# KiCad board pandore.kicad_pcb (continued)
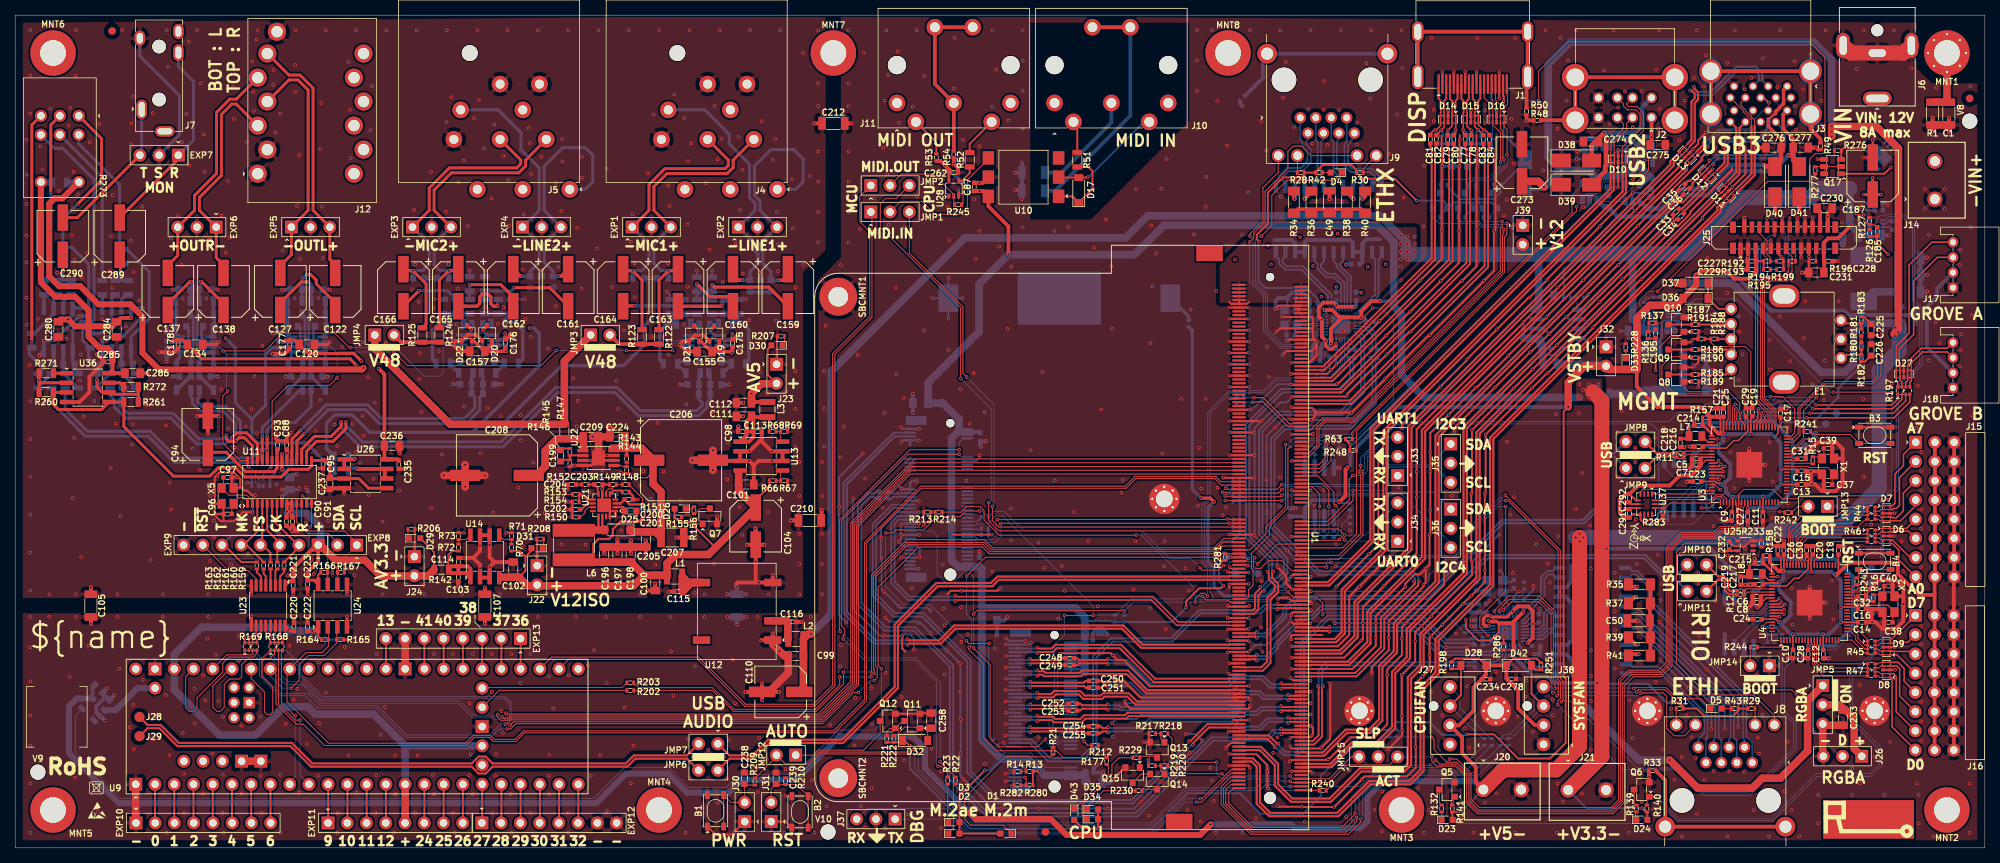
[diagram p0: board, top side]
## Routing (per net, layer and track width the routed paths; a pad name or vN(x,y) marks a point on that pad's centre or on a via; arc(x,y) is an arc through that point) (continued)
  Top w0.25: U1.87 171.06,29.12 171.09,29.1 173.4,29.1 v1(173.5,29.2)
  Bottom w0.25: U8.16 194.82,25.92 188.09,25.92 184.92,29.1 173.6,29.1 v1(173.5,29.2)
/Computer/ETHI.~{CLKREQ}: length 1.5
  Top w0.127: v1(197.22,26.11) 196.48,26.11 R286.1
  Bottom w0.127: U8.12 197.3,26.24 197.22,26.16 v1(197.22,26.11)
/Computer/ETHX.HSI0+: length 57.2
  Top w0.25: v1(166.05,36.5) 165.93,36.37 165.93,35.67 166.72,34.87 166.72,33.8 165.72,32.79 165.72,24.44 164.68,23.4 162.3,23.4 162.28,23.38 U1.64
  Bottom w0.25: C45.2 176.63,64.53 176.63,61.86 174.94,60.17 167.29,60.17 162.93,55.81 162.93,41.12 165.93,38.12 165.93,36.63 v1(166.05,36.5)
/Computer/ETHX.HSI0-: length 56.5
  Top w0.25: v1(165.35,36.5) 165.47,36.37 165.47,35.49 166.28,34.69 166.28,33.98 165.26,32.97 165.26,24.62 164.49,23.85 162.3,23.85 162.28,23.88 U1.66
  Bottom w0.25: v1(165.35,36.5) 165.47,36.63 165.47,37.94 162.47,40.94 162.47,55.99 167.11,60.62 174.76,60.62 176.18,62.05 176.18,64.53 C46.2
/Computer/ETHX.HSO0+: length 78.6
  Top w0.25: U1.61 171.06,22.62 171.09,22.65 177.07,22.65 180.72,26.31 180.72,30.21 185.22,34.7 185.22,35.11 v1(185.32,35.21)
  Bottom w0.25: C41.2 179.61,64.55 179.61,58.69 176.24,55.33 167.68,55.33 166.22,53.87 166.22,42.49 172.19,36.53 184.52,36.53 185.22,35.83 185.22,35.31 v1(185.32,35.21)
/Computer/ETHX.HSO0-: length 77.8
  Top w0.25: v1(184.66,35.21) 184.76,35.11 184.76,34.88 180.28,30.39 180.28,26.49 176.88,23.1 171.09,23.1 171.06,23.12 U1.63
  Bottom w0.25: v1(184.66,35.21) 184.76,35.31 184.76,35.65 184.34,36.08 172.01,36.08 165.78,42.31 165.78,54.05 167.5,55.78 176.06,55.78 179.16,58.87 179.16,64.55 C42.2
/Computer/ETHX.REFCLK+: length 54.3
  Top w0.25: U1.94 162.28,30.88 162.3,30.9 163.52,30.9 164.1,31.49 164.1,33.39 164.67,33.95 v1(164.85,33.95)
  Bottom w0.15: 177.76,67.84 177.42,68.18 U7.15
  Bottom w0.25: v1(164.85,33.95) 164.85,34.13 165.88,35.17 166.76,35.17 167.94,36.34 167.94,38.28 164.63,41.58 164.63,54.99 166.83,57.19 175.11,57.19 178.1,60.18 178.1,67.5 177.76,67.84
/Computer/ETHX.REFCLK-: length 52.9
  Top w0.25: U1.96 162.28,31.38 162.3,31.35 163.33,31.35 163.66,31.67 163.66,33.57 164.35,34.27 v1(164.35,34.45)
  Bottom w0.15: 177.45,67.52 177.18,67.78 U7.16
  Bottom w0.25: v1(164.35,34.45) 164.53,34.45 165.7,35.61 166.58,35.61 167.49,36.52 167.49,38.1 164.19,41.4 164.19,55.17 166.65,57.64 174.93,57.64 177.66,60.36 177.66,67.31 177.45,67.52
/Computer/ETHX.SUSCLK: length 98.6
  Top w0.127: v1(114.9,41.6) 115.88,41.6 116.28,42 119.91,42 121.65,43.74 124.74,43.74 125.5,44.5 v1(127.3,44.5) ; v1(125.56,27.34) 125.9,27 v1(128.6,27) ; U1.131 166.62,40.12 v1(164,37.5) ; v1(159.5,37.3) 158.88,36.68 156.69,36.68 v1(156.36,37.01)
  Bottom w0.127: v1(114.9,41.6) 114.9,34.5 117.3,32.1 120.8,32.1 v1(125.56,27.34) ; v1(128.6,27) 128.5,26.9 128.5,14.8 R279.1 ; v1(156.36,37.01) 155.13,38.24 152.36,38.24 148.7,41.9 133.1,41.9 130.55,44.45 129.2,44.45 R278.1 127.65,44.5 v1(127.3,44.5) ; v1(159.5,37.3) 159.91,37.3 160.41,37.8 163.7,37.8 v1(164,37.5)
/Computer/ETHX.~{CLKREQ}: length 57.3
  Top w0.127: v1(179.2,71.32) 178.21,70.33 178.21,69.89 177.7,69.38 v1(177.51,69.38) ; U1.102 162.55,32.88 162.8,33.12 162.8,34.1 163.4,34.7 163.4,36.6 163.2,36.8 163.2,38.9 165.56,41.26 165.56,42.46 168,44.9 168,52.69 v1(168.32,53.01)
  Bottom w0.127: v1(177.51,69.38) 177.51,69.38 U7.12 ; v1(179.2,71.32) 180.27,71.32 181.93,69.66 181.93,59.24 176.79,54.1 174.4,54.1 174.21,54.29 172.45,54.29 172.01,53.85 171.41,53.85 171.4,53.84 169.15,53.84 v1(168.32,53.01)
/Computer/ETHX.~{PERST}: length 181.8
  Top w0.127: v1(171.05,33.89) 170.78,33.62 U1.105 ; v1(138.5,30.7) v1(142.3,30.7) ; v1(194.42,28.02) 193.34,29.1 193.34,30.5 196.74,33.9 v1(196.74,45.08)
  Bottom w0.127: v1(194.42,28.02) 194.5,28.1 U8.19 ; v1(196.74,45.08) 195.73,45.08 191.36,40.71 191.36,39.27 190.15,38.06 188.69,38.06 186.53,35.9 186.53,34.45 185.97,33.89 v1(171.05,33.89) 170.24,34.7 168.3,34.7 167.6,34 166.7,34 165.48,32.78 156.56,32.78 156.44,32.9 147.35,32.9 R17.2 142.35,30.75 v1(142.3,30.7) 142.3,31.91 130.41,43.8 129.4,43.8 128.4,42.8 126.9,42.8 126.7,42.6 J19.52 ; 139.32,15.1 138.1,15.1 137.6,14.6 137.6,14.1 137.3,13.8 136.8,13.8 136.5,14.1 136.5,20.2 137.2,20.9 137.2,26.8 138.5,28.1 v1(138.5,30.7) ; 158.09,32.78 158.09,33.32 157.75,33.66 157.75,36.84 157,37.59 157,45.31 157.75,46.06 157.75,57.42 160.46,60.13 164.83,60.13 166.47,61.77 173.84,61.77 175.47,63.4 175.47,67.17 U7.19
/Computer/ETHX.~{WAKE}: length 174.5
  Top w0.127: v1(168,33.8) 168.68,33.12 U1.103 171.78,33.12 172.6,32.3 v1(172.6,30.8) ; v1(136,14.4) 134.96,13.36 129.84,13.36 128.7,14.5 128.7,24.19 126.5,26.39 v1(126.5,26.4) ; v1(126.5,30.89) 126.95,31.34 146.34,31.34 v1(146.4,31.28) ; v1(157.38,33.26) 157,33.64 156.53,33.64 155.79,32.9 v1(155.79,32.46)
  Bottom w0.127: J19.55 121.05,41.85 121.7,41.2 121.7,36.2 122.9,35 123.8,35 125.13,36.33 125.95,36.33 126.5,35.78 v1(126.5,30.89) v1(126.5,26.4) ; 157.43,33.31 v1(157.38,33.26) 157.38,36.81 156.64,37.55 156.64,45.33 157.43,46.12 157.43,57.52 160.3,60.39 164.71,60.39 166.37,62.05 171.46,62.05 171.99,62.58 173.93,62.58 174.91,63.56 174.91,66.9 174.78,67.03 U7.21 ; v1(172.6,30.8) 172.9,31.1 188.6,31.1 190.81,28.89 191.79,28.89 191.96,28.71 194.61,28.71 194.8,28.9 U8.21 ; v1(136,14.4) 136,14.1 136.7,13.4 137.4,13.4 138.1,14.1 139.32,14.1 ; v1(168,33.8) 167.9,33.7 166.8,33.7 165.63,32.53 156.45,32.53 156.45,32.53 155.86,32.53 v1(155.79,32.46) 147.58,32.46 v1(146.4,31.28) R18.2
/Computer/M2E.D+: length 84.6
  Top w0.28: U1.76 160.24,26.38 160.2,26.41 148.65,26.41 146.11,28.94 124.12,28.94 122.16,26.98 117.96,26.98 v1(117.8,26.82)
  Bottom w0.28: v1(117.8,26.82) 117.64,26.98 113.36,26.98 109.35,30.99 109.35,48.22 115.99,54.85 J19.3
/Computer/M2E.D-: length 83.2
  Top w0.28: v1(117.8,27.58) 117.96,27.42 121.98,27.42 123.94,29.38 146.29,29.38 148.82,26.84 160.2,26.84 160.24,26.88 U1.78
  Bottom w0.28: J19.5 116.09,54.35 109.78,48.04 109.78,31.17 113.54,27.42 117.64,27.42 v1(117.8,27.58)
/Computer/M2E.HSI0+: length 88
  Top w0.25: U1.34 160.24,15.88 160.21,15.9 157.57,15.9 155.45,13.78 v1(155.45,13.6)
  Bottom w0.25: v1(155.45,13.6) 155.27,13.6 147.54,5.88 129.76,5.88 125.68,9.96 125.68,24.61 119.73,30.56 115.96,30.56 113.21,33.31 113.21,42.79 115.74,45.33 118.11,45.33 J19.41
/Computer/M2E.HSI0-: length 86.5
  Top w0.25: v1(154.95,14.1) 155.13,14.1 157.38,16.35 160.21,16.35 160.24,16.38 U1.36
  Bottom w0.25: v1(154.95,14.1) 154.95,13.92 147.36,6.32 129.94,6.32 126.12,10.14 126.12,24.79 119.91,31 116.14,31 113.66,33.49 113.66,42.61 115.92,44.87 118.11,44.87 J19.43
/Computer/M2E.HSO0+: length 100.3
  Top w0.25: U1.31 169.03,15.12 169,15.15 167.26,15.15 v1(167.13,15.02)
  Bottom w0.25: C256.2 113.6,47.05 113.37,46.83 112.64,46.83 111.24,45.42 111.24,32.21 114.75,28.69 118.6,28.69 123.38,23.92 123.38,9 128.23,4.15 148.11,4.15 158.11,14.15 165.27,14.15 166.28,15.15 167,15.15 v1(167.13,15.02)
/Computer/M2E.HSO0-: length 98.8
  Top w0.25: v1(167.13,15.73) 167.26,15.6 169,15.6 169.03,15.62 U1.33
  Bottom w0.25: v1(167.13,15.73) 167,15.6 166.09,15.6 165.09,14.59 157.93,14.59 147.93,4.59 128.41,4.59 123.82,9.18 123.82,24.1 118.78,29.14 114.93,29.14 111.69,32.39 111.69,45.24 112.82,46.38 113.37,46.38 113.6,46.15 C257.2
/Computer/M2E.REFCLK+: length 59.2
  Top w0.2: U1.88 160.24,29.38 160.21,29.4 153.32,29.4 149.99,32.73 127.38,32.73 124.23,32.73 v1(124.1,32.61)
  Bottom w0.25: J19.47 117.51,43.85 117.49,43.83 116.44,43.83 115.65,43.03 115.65,34.96 117.87,32.73 123.97,32.73 v1(124.1,32.61)
/Computer/M2E.REFCLK-: length 57.7
  Top w0.2: U1.90 160.24,29.88 160.21,29.85 153.51,29.85 150.17,33.19 127.38,33.19 124.23,33.19 v1(124.1,33.31)
  Bottom w0.25: J19.49 117.51,43.35 117.49,43.38 116.62,43.38 116.09,42.85 116.09,35.14 118.05,33.19 123.97,33.19 v1(124.1,33.31)
/Computer/M2E.SCL: length 38.8
  Top w0.127: v1(130.04,42.8) 130.12,42.88 U1.142
  Bottom w0.127: v1(130.04,42.8) 130.1,42.74 130.1,41.1 129.35,40.35 126.98,40.35 126.73,40.6 J19.60 ; v1(160.25,42.88) 160.68,42.44 160.68,42.43 160.71,42.4 R179.2
/Computer/M2E.SDA: length 39.2
  Top w0.127: v1(160.03,43.46) 160.06,43.43 160.06,43.38 ; v1(129.66,43.38) 160.06,43.38 ; 160.06,43.38 U1.144
  Bottom w0.127: R178.2 160.63,43.46 v1(160.03,43.46) ; J19.58 126.7,41.1 127.15,40.65 128.9,40.65 129.45,41.2 129.45,43.17 v1(129.66,43.38)
/Computer/M2E.~{CLKREQ}: length 46
  Top w0.127: v1(156.71,33.22) 156.78,33.22 157.26,32.74 160.05,32.74 160.41,32.38 U1.100 ; v1(148,41.3) 129.9,41.3 127.9,43.3 127.9,44.55 127.37,45.08 125.58,45.08 124.85,44.35 R214.1
  Bottom w0.127: v1(156.71,33.22) 155.85,33.22 155.51,33.56 155.51,34.49 148.7,41.3 v1(148,41.3)
/Computer/M2M.HSI0+: length 30.1
  Top w0.25: U1.40 160.24,17.38 160.21,17.4 147.02,17.4 146.69,17.07 141.29,17.07 140.79,16.57 137.11,16.57 136.81,16.87 135.05,16.87 v1(134.92,16.75)
  Bottom w0.25: J13.43 132.05,16.88 134.79,16.87 v1(134.92,16.75)
/Computer/M2M.HSI0-: length 30.1
  Top w0.25: v1(134.92,17.45) 135.05,17.33 136.99,17.33 137.29,17.03 140.61,17.03 141.11,17.53 146.51,17.53 146.83,17.85 160.21,17.85 160.24,17.88 U1.42
  Bottom w0.25: J13.41 132.05,17.33 134.79,17.33 v1(134.92,17.45)
/Computer/M2M.HSI1+: length 30.6
  Top w0.25: v1(134.93,19.75) 135.06,19.88 136.99,19.88 137.39,20.28 140.41,20.28 141.01,19.68 143.49,19.68 143.79,19.97 146.81,19.97 147.88,18.9 160.21,18.9 160.24,18.88 U1.46
  Bottom w0.25: v1(134.93,19.75) 134.8,19.87 132.8,19.88 132.78,19.85 J13.31
/Computer/M2M.HSI1-: length 30.6
  Top w0.25: U1.48 160.24,19.38 160.21,19.35 148.07,19.35 146.99,20.43 143.61,20.43 143.31,20.12 141.19,20.12 140.59,20.72 137.21,20.72 136.81,20.32 135.06,20.32 v1(134.93,20.45)
  Bottom w0.25: J13.29 132.78,20.35 132.8,20.32 134.8,20.33 v1(134.93,20.45)
/Computer/M2M.HSI2+: length 30.9
  Top w0.25: v1(134.94,22.75) 135.07,22.87 135.61,22.87 135.81,22.67 140.69,22.67 140.99,22.97 146.71,22.97 149.28,20.4 160.21,20.4 160.24,20.38 U1.52
  Bottom w0.25: v1(134.94,22.75) 134.81,22.87 132.05,22.87 132.05,22.88 J13.19
/Computer/M2M.HSI2-: length 30.9
  Top w0.25: U1.54 160.24,20.88 160.21,20.85 149.47,20.85 146.89,23.42 140.81,23.42 140.51,23.12 135.99,23.12 135.79,23.32 135.07,23.32 v1(134.94,23.45)
  Bottom w0.25: v1(134.94,23.45) 134.81,23.32 132.05,23.32 J13.17
/Computer/M2M.HSI3+: length 31.7
  Top w0.25: v1(134.94,25.75) 135.07,25.87 136.99,25.87 137.49,26.38 145.81,26.38 150.28,21.9 160.21,21.9 160.24,21.88 U1.58
  Bottom w0.25: J13.7 132.05,25.88 134.81,25.87 v1(134.94,25.75)
/Computer/M2M.HSI3-: length 31.7
  Top w0.25: v1(134.94,26.45) 135.07,26.33 136.81,26.33 137.31,26.83 145.99,26.83 150.47,22.35 160.21,22.35 160.24,22.38 U1.60
  Bottom w0.25: v1(134.94,26.45) 134.81,26.33 132.05,26.33 J13.5
/Computer/M2M.HSO0+: length 28.7
  Top w0.25: v1(144.26,15.25) 144.13,15.37 143.53,15.38 143.3,15.15 C255.2 ; v1(168.05,16.52) 168.18,16.65 169,16.65 169.03,16.62 U1.37
  Bottom w0.25: v1(144.26,15.25) 144.39,15.37 148.59,15.38 149.89,16.68 160.61,16.68 161.71,15.57 164.39,15.57 165.47,16.65 167.92,16.65 v1(168.05,16.52)
/Computer/M2M.HSO0-: length 28.7
  Top w0.25: v1(168.05,17.23) 168.18,17.1 169,17.1 169.03,17.12 U1.39 ; v1(144.26,15.95) 144.13,15.83 143.53,15.82 143.3,16.05 C254.2
  Bottom w0.25: v1(168.05,17.23) 167.92,17.1 165.28,17.1 164.21,16.03 161.89,16.03 160.79,17.12 149.71,17.12 148.41,15.82 144.39,15.83 v1(144.26,15.95)
/Computer/M2M.HSO1+: length 30.5
  Top w0.25: v1(144.23,18.25) 144.09,18.39 140.84,18.39 140.6,18.15 C253.2 ; v1(167.12,18.02) 167.25,18.15 169,18.15 169.03,18.12 U1.43
  Bottom w0.25: v1(167.12,18.02) 166.99,18.15 164.57,18.15 163.99,17.57 162.41,17.57 161.81,18.18 145.81,18.18 145.6,18.38 144.36,18.38 v1(144.23,18.25)
/Computer/M2M.HSO1-: length 30.5
  Top w0.25: U1.45 169.03,18.62 169,18.6 167.25,18.6 v1(167.12,18.73) ; C252.2 140.6,19.05 140.81,18.84 144.09,18.84 v1(144.22,18.97)
  Bottom w0.25: v1(167.12,18.73) 166.99,18.6 164.38,18.6 163.81,18.03 162.59,18.03 161.99,18.62 145.99,18.62 145.79,18.83 144.36,18.83 v1(144.22,18.97)
/Computer/M2M.HSO2+: length 28.4
  Top w0.25: C251.2 143.3,21.15 143.53,21.38 143.8,21.38 143.8,21.37 144.12,21.37 v1(144.25,21.25) ; v1(168.04,19.52) 168.17,19.65 169,19.65 169.03,19.62 U1.49
  Bottom w0.25: v1(168.04,19.52) 167.91,19.65 164.73,19.65 164.11,20.28 161.99,20.28 161.39,19.68 148.81,19.68 147.11,21.37 144.38,21.37 v1(144.25,21.25)
/Computer/M2M.HSO2-: length 28.4
  Top w0.25: C250.2 143.3,22.05 143.53,21.82 143.97,21.82 144.12,21.82 v1(144.25,21.95) ; v1(168.04,20.23) 168.17,20.1 169,20.1 169.03,20.12 U1.51
  Bottom w0.25: v1(168.04,20.23) 167.91,20.1 164.92,20.1 164.29,20.72 161.81,20.72 161.21,20.12 148.99,20.12 147.29,21.82 144.38,21.82 v1(144.25,21.95)
/Computer/M2M.HSO3+: length 32.5
  Top w0.25: v1(144.24,24.25) 144.11,24.38 140.43,24.38 140.2,24.15 C249.2 ; U1.55 169.03,21.12 169,21.15 167.24,21.15 v1(167.12,21.03)
  Bottom w0.25: v1(167.12,21.03) 166.99,21.16 165.63,21.16 164.51,22.28 161.09,22.28 160.09,21.28 149.71,21.28 146.61,24.38 146.61,24.37 144.37,24.37 v1(144.24,24.25)
/Computer/M2M.HSO3-: length 32.5
  Top w0.25: v1(167.12,21.73) 167.25,21.6 169,21.6 169.03,21.62 U1.57 ; v1(144.24,24.95) 144.11,24.82 144.11,24.83 140.43,24.83 140.2,25.05 C248.2
  Bottom w0.25: v1(144.24,24.95) 144.37,24.82 146.79,24.82 149.89,21.72 159.91,21.72 160.91,22.72 164.69,22.72 165.81,21.6 166.99,21.6 v1(167.12,21.73)
/Computer/M2M.REFCLK+: length 54.2
  Top w0.2: U1.97 169.73,31.64
  Top w0.25: U1.97 169.03,31.62 169,31.65 166.73,31.65 v1(166.6,31.52)
  Bottom w0.25: J13.55 132.05,13.87 133.92,13.87 136.38,11.41 140.77,11.41 142.75,13.39 142.75,25.14 144.85,27.25 152.74,27.25 156.48,30.98 164.43,30.98 165.1,31.65 166.47,31.65 v1(166.6,31.52)
/Computer/M2M.REFCLK-: length 54.2
  Top w0.2: U1.99 169.72,32.09
  Top w0.25: U1.99 169.03,32.12 169,32.1 166.73,32.1 v1(166.6,32.23)
  Bottom w0.25: v1(166.6,32.23) 166.47,32.1 164.91,32.1 164.25,31.44 156.3,31.44 152.56,27.69 144.67,27.69 142.29,25.32 142.29,13.57 140.59,11.87 136.56,11.87 134.1,14.32 132.05,14.32 J13.53
/Computer/MGMTMCU.D+: length 65.3
  Top w0.28: v1(163.9,27.75) 163.74,27.91 162.9,27.91 162.86,27.88 U1.82
  Bottom w0.28: v1(163.9,27.75) 164.06,27.91 165.15,27.91 167.78,30.54 167.78,31.36 169.3,32.88 186.43,32.88 196.44,42.89 207.14,42.89 210.12,45.87 210.12,51.21 210.6,51.69 211.07,51.69 JMP9.1
/Computer/MGMTMCU.D-: length 65.3
  Top w0.28: v1(163.9,28.5) 163.74,28.34 162.9,28.34 162.86,28.38 U1.84
  Bottom w0.28: JMP8.1 211.07,52.11 210.42,52.11 209.69,51.39 209.69,46.05 206.96,43.31 196.26,43.31 186.25,33.31 169.12,33.31 167.35,31.54 167.35,30.72 164.98,28.34 164.06,28.34 v1(163.9,28.5)
/Computer/MGMTMCU.~{RST}: length 95.1
  Top w0.127: v1(177.6,50.5) 177.6,50.09 177.38,49.87 177.38,49.53 177.6,49.31 177.6,41.5 174.72,38.62 U1.125 ; v1(237.8,59.5) 236.08,57.78 236.08,54.14 234.34,52.4 U3.35
  Bottom w0.127: TP5.1 238.6,55.6 v1(236.08,55.6) ; v1(177.6,50.5) 177.6,51.55 182.35,56.3 218.3,56.3 219.5,57.5 222.03,57.5 223.13,58.6 224.6,58.6 225.4,59.4 229.31,59.4 229.53,59.18 232.08,59.18 232.4,59.5 v1(237.8,59.5)
/Computer/MGMTMCU.~{USBBOOT}: length 92.4
  Top w0.127: U1.123 174.72,38.12 177.9,41.3 177.9,49.5 177.8,49.6 v1(177.8,49.7) ; R242.2 233.47,44.4 v1(232.9,44.4)
  Bottom w0.127: v1(177.8,49.7) 178.1,50 178.1,51.69 182.41,56 216,56 216.94,55.06 216.94,43.51 217.68,42.77 221.47,42.77 223.25,44.55 ; 223.25,44.55 223.72,44.55 225.59,42.68 227.27,42.68 228.99,44.4 v1(232.9,44.4) ; 223.25,44.55 R234.1
/Computer/MGMTMON.PWR: length 285
  Top w0.127: v1(216.8,73.5) 231.35,88.05 236.9,88.05 ; 236.9,88.05 236.9,91 237.6,91.7 238.6,91.7 238.9,92 238.9,104.4 236.8,106.5 205,106.5 201.1,102.6 v1(201.1,98.7) ; 236.9,88.05 238.75,86.2 240.37,86.2 242.93,83.64 v2(244.01,83.64) ; v1(187,14.6) 187.3,14.3 187.3,13 188.99,11.31 190.31,11.31 191.9,9.72 191.9,6.32 193.21,5.01 210.69,5.01 211.89,6.21 211.89,21.99 213.1,23.2 217.14,23.2 218.19,24.25 218.19,39.61 219.99,41.41 224.31,41.41 225.11,42.21 226.99,42.21 227.5,42.72 U3.7 227.5,46.7 228.15,47.35 232.03,47.35 233.26,46.12 235.21,46.12 235.6,46.51 246.7,46.51 v1(247.25,45.96)
  Bottom w0.127: v1(187,14.6) 186.95,14.65 R246.2 180.6,14.65 179.93,13.98 JMP15.2 ; v2(244.01,83.64) 243.81,83.44 R130.1 R129.2 244.21,82 U19.2 245.1,82 245.7,82.6 245.7,83.1 246.1,83.5 246.93,83.5 247.14,83.71 249.23,83.71 250.74,82.2 250.74,72.34 251.7,71.38 251.7,63.77 248.6,60.67 248.6,47.31 v1(247.25,45.96) ; U20.2 215.89,69.65 R133.2 215,71.15 R134.1 214.43,71.72 214.43,72.34 215.58,73.5 v1(216.8,73.5) ; R176.1 195,92.15 195,95.9 194.7,96.2 194.7,99.6 195.2,100.1 197.6,100.1 199,98.7 v1(201.1,98.7)
/Computer/MGMTMON.PWRB: length 97.1
  Top w0.127: U3.6 227.2,45.55 227.2,42.78 226.88,42.46 224.96,42.46 224.16,41.66 219.88,41.66 217.94,39.72 217.94,24.5 216.92,23.48 212.98,23.48 211.64,22.14 211.64,6.32 210.66,5.34 193.29,5.34 192.17,6.46 192.17,9.87 190.31,11.73 v1(189.35,11.73) ; R240.2 173.55,8.1 v1(173.72,8.1)
  Bottom w0.127: v1(173.72,8.1) 177.48,8.1 179.98,10.6 188.22,10.6 v1(189.35,11.73)
/Computer/MGMTMON.S0: length 124.6
  Top w0.127: U3.9 228.3,45.17 228.1,44.97 228.1,42.6 227.2,41.7 225.36,41.7 224.56,40.9 220.2,40.9 218.7,39.4 218.7,24 217.3,22.6 213.6,22.6 212.4,21.4 212.4,6 210.9,4.5 193,4.5 191.3,6.2 191.3,9.6 190.1,10.8 187.65,10.8 187,11.45 v1(187,12.1) ; R218.1 152.15,15 152.7,14.45 152.7,12.6 154,11.3 v1(158.6,11.3) ; JMP15.3 181.39,10.95 175.76,10.95 173.44,8.62 U1.5 168.49,8.62 v1(168.31,8.8)
  Bottom w0.127: v1(168.31,8.8) 167.16,8.8 166.84,9.12 159.3,9.12 158.6,9.82 v1(158.6,11.3) ; JMP15.3 186.93,12.03 v1(187,12.1)
/Computer/MGMTMON.S3: length 120
  Top w0.127: U3.8 227.8,45.55 227.8,42.66 227.09,41.95 225.25,41.95 224.45,41.15 220.09,41.15 218.45,39.51 218.45,24.15 217.2,22.9 213.4,22.9 212.15,21.65 212.15,6.11 210.79,4.75 193.11,4.75 191.6,6.26 191.6,9.66 190.21,11.05 188.05,11.05 v1(187.5,11.6) ; R220.1 153.2,9.8 v1(159.3,9.8) ; v1(168.31,9.5) 168.69,9.12 U1.7 173.47,9.12 176.37,12.03 JMP15.1
  Bottom w0.127: v1(168.31,9.5) 159.6,9.5 v1(159.3,9.8) ; JMP15.1 178.52,10.9 186.8,10.9 v1(187.5,11.6)
/Computer/RTIOMCU.D+: length 66.9
  Top w0.28: v1(163.9,24.75) 163.74,24.91 162.9,24.91 162.86,24.88 U1.70
  Bottom w0.28: v1(163.9,24.75) 164.06,24.91 165.24,24.91 166.71,26.37 166.71,26.74 170.23,30.27 171.32,30.27 172.6,31.55 187.72,31.55 194.43,38.25 215.03,38.25 217.85,35.44 219.19,35.44 JMP11.1
/Computer/RTIOMCU.D-: length 66.9
  Top w0.28: v1(163.9,25.5) 163.74,25.34 162.9,25.34 162.86,25.38 U1.72
  Bottom w0.28: JMP10.1 219.19,35.86 218.03,35.86 215.21,38.69 194.25,38.69 187.54,31.97 172.42,31.97 171.14,30.69 170.05,30.69 166.28,26.92 166.28,26.55 165.07,25.34 164.06,25.34 v1(163.9,25.5)
/Computer/RTIOMCU.~{RST}: length 133.8
  Top w0.127: v1(173.7,37.7) 173.62,37.62 U1.121 ; v2(243.9,35.2) 243.45,34.75 R243.2 242.79,34.75 242.24,34.2 U4.35 ; v1(196.76,45.88) 197.04,45.88 203.65,39.27 203.65,22.26 203.99,21.92 203.99,19.79 203.6,19.39 v1(203.6,18.9)
  Bottom w0.127: v1(173.7,37.7) 173.76,37.64 181.54,37.64 182.27,38.37 190.04,38.37 191.1,39.44 191.1,40.9 196.08,45.88 v1(196.76,45.88) ; v1(203.6,18.9) 212.2,10.3 219.42,10.3 222.79,6.93 228.97,6.93 235.07,13.03 235.07,16.53 233.55,18.05 233.55,23.66 236.05,26.16 240.26,26.16 243.18,29.08 243.18,34.48 v2(243.9,35.2) 244.8,35.2 TP6.1
/Computer/RTIOMCU.~{USBBOOT}: length 119.1
  Top w0.127: v1(204.1,19.3) 204.3,19.5 204.3,22.05 203.96,22.39 203.96,39.34 v1(196.7,46.6) ; v1(173.1,37.1) 173.07,37.12 U1.119 ; v1(233.23,26.66) 233.09,26.52 R244.2
  Bottom w0.127: 196.8,46.6 v1(196.7,46.6) 196.3,46.2 195.9,46.2 190.7,41 190.7,39.4 189.93,38.63 180.53,38.63 180.1,38.2 173.54,38.2 173.1,37.76 v1(173.1,37.1) ; R235.1 233.24,26.67 v1(233.23,26.66) 233.23,17.94 234.75,16.42 234.75,13.22 228.8,7.27 222.81,7.27 219.53,10.55 214.1,10.55 205.25,19.4 204.2,19.4 v1(204.1,19.3)
/Computer/USB2P3.D+: length 94.6
  Top w0.127: J2.7 212.29,98.3 212.29,98.01 212.81,97.49 213.91,97.49 214.49,96.91 214.49,94.89 212.14,92.54 212.14,91.88 212.1,91.84 D10.2
  Top w0.15: 212.18,89.84 212.1,89.92 D10.2
  Top w0.2: D10.2 D10.2
  Top w0.28: 212.18,89.84 212.18,86.69 180.59,55.09 180.59,39.59 175.09,34.09 175.09,28.49 174.19,27.59 171.1,27.59 171.06,27.62 U1.81
/Computer/USB2P3.D-: length 95.3
  Top w0.127: J2.6 212.71,98.3 212.71,98.19 212.99,97.91 214.09,97.91 214.91,97.09 214.91,94.71 212.56,92.36 212.56,91.88 212.6,91.84 D10.1
  Top w0.15: 212.61,89.84 212.6,89.85 D10.1
  Top w0.2: D10.1 D10.1
  Top w0.28: U1.79 171.06,27.12 171.1,27.16 174.36,27.16 175.51,28.31 175.51,33.91 181.01,39.41 181.01,54.91 212.61,86.51 212.61,89.84
/Computer/USB2P5.D+: length 81.4
  Top w0.127: J2.3 212.29,95.68 212.29,94.99 210.64,93.34 210.64,91.88 210.6,91.84 D10.5
  Top w0.15: D10.5 210.6,89.86 210.6,89.85
  Top w0.2: D10.5 D10.5
  Top w0.28: 210.6,89.85 210.6,87.1 178.88,55.39 178.88,40.69 173.29,35.09 170.51,35.09 170.47,35.12 U1.111
/Computer/USB2P5.D-: length 82.2
  Top w0.127: J2.2 212.71,95.68 212.71,94.81 211.06,93.16 211.06,91.88 211.1,91.84 D10.4
  Top w0.15: D10.4 211.1,89.93 211.03,89.85
  Top w0.2: D10.4 D10.4
  Top w0.28: U1.109 170.47,34.62 170.51,34.66 173.46,34.66 179.31,40.51 179.31,55.21 211.03,86.92 211.03,89.85
/Computer/USB3P2.D+: length 111.7
  Top w0.15: 220.75,93.01 220.75,92.95 220.3,92.5 D13.5 ; 219.15,91.35 219.69,91.9 D13.5
  Top w0.2: D13.5 D13.5
  Top w0.28: v1(221.1,100.04) 221.29,100.04 221.71,99.63 221.71,99.01 221.28,98.58 221.28,93.53 220.75,93.01 ; 219.15,91.35 218.49,90.69 218.49,90.29 183.88,55.69 183.88,39.59 176.78,32.49 176.78,27.99 174.89,26.09 171.1,26.09 171.06,26.12 U1.75
  Bottom w0.28: v1(221.1,100.04) 221.29,100.04 221.89,99.44 224.07,99.44 227.39,102.77 229.58,102.77 230.19,102.16 230.19,101.38 J3.3
/Computer/USB3P2.D-: length 113.2
  Top w0.15: 219.45,91.05 219.54,91.05 D13.4 ; D13.4 220.64,92.2 221.06,92.62 221.06,92.71
  Top w0.2: D13.4 D13.4
  Top w0.28: 219.45,91.05 218.91,90.51 218.91,90.11 184.31,55.51 184.31,39.41 177.22,32.31 177.22,27.81 175.06,25.66 171.1,25.66 171.06,25.62 U1.73 ; 221.06,92.71 221.71,93.35 221.71,98.4 222.13,98.83 222.13,99.81 221.6,100.35 v1(221.6,100.54)
  Bottom w0.28: v1(221.6,100.54) 221.6,100.35 222.07,99.88 223.89,99.88 227.21,103.19 229.76,103.19 230.62,102.34 230.62,101.38 J3.2
/Computer/USB3P2.SSRX+: length 141.1
  Top w0.127: 229.59,95.03 229.59,96.17 228.4,97.35 228.4,97.46 227.81,98.05 227.81,98.47 228.4,99.06 J3.6
  Top w0.15: 225.55,84.85 226.2,85.5 D11.1 ; D11.1 226.9,86.13 227.47,86.7 227.47,86.73
  Top w0.2: D11.1 D11.1
  Top w0.28: 227.47,86.73 229.62,88.89 229.62,95.28 ; 225.55,84.85 225.12,84.41 225.12,84.01 195.12,54.01 195.12,34.61 187.91,27.41 187.91,23.01 185.93,21.02 185.93,10.14 184.17,8.38 178.89,8.38 174.69,4.19 165.51,4.19 163.88,5.81 163.88,10.71 163.19,11.41 162.31,11.41 162.28,11.38 U1.16
/Computer/USB3P2.SSRX-: length 140.5
  Top w0.127: 229.19,95.04 229.19,96.16 228.15,97.2 228.15,97.35 J3.5
  Top w0.15: 225.25,85.15 225.95,85.85 D11.2 ; D11.2 226.55,86.45 227.17,87.07 227.2,87.07
  Top w0.2: D11.2 D11.2
  Top w0.28: 225.25,85.15 224.69,84.59 224.69,84.19 194.69,54.19 194.69,34.79 187.49,27.59 187.49,23.19 185.5,21.2 185.5,10.32 183.99,8.81 178.71,8.81 174.51,4.62 165.69,4.62 164.31,5.99 164.31,10.89 163.36,11.84 162.31,11.84 162.28,11.88 U1.18 ; 227.2,87.07 229.19,89.06 229.19,95.28
/Computer/USB3P2.SSTX+: length 97.4
  Top w0.28: 219.51,83.01 219.21,83.01 218.17,81.97 218.17,81.96 191.62,55.41 191.62,36.21 184.12,28.71 184.12,25.01 182.18,23.07 182.18,15.82 179.84,13.49 176.59,13.49 173.76,10.66 170.51,10.66 170.47,10.62 U1.13
/Computer/USB3P2.SSTX-: length 97
  Top w0.28: 218.91,83.61 218.91,83.32 217.75,82.16 217.75,82.15 191.19,55.59 191.19,36.39 183.69,28.89 183.69,25.19 181.75,23.25 181.75,16 179.66,13.91 176.41,13.91 173.59,11.09 170.51,11.09 170.47,11.12 U1.15
/Computer/USB_OC: length 86.2
  Top w0.127: U1.129 175.22,39.62 177.05,41.45 177.05,55.07 206.1,84.12 v1(206.1,84.7) ; v1(213.55,87.72) 213.82,87.72 215.6,89.5 215.6,91.14 v1(215.53,91.21)
  Bottom w0.127: v1(206.1,84.7) 206.1,84.8 U32.3 206.9,85.9 207.39,86.39 209.18,86.39 209.4,86.17 209.4,85.8 209.8,85.4 U31.3 212.55,86.31 213.55,87.31 v1(213.55,87.72) ; U29.3 210.64,92.75 213.31,92.75 213.49,92.57 213.49,92.2 213.85,91.85 214.41,91.85 215.05,91.21 v1(215.53,91.21) 216.13,91.81 U30.3
/Computer/USBP1.D+: length 103.6
  Top w0.127: 221.93,91.98 221.66,91.7 221.66,91.7 221.61,91.7 D13.2
  Top w0.15: 220.4,89.9 220.4,90.49 D13.2
  Top w0.2: D13.2 D13.2
  Top w0.28: U1.69 171.06,24.62 171.1,24.59 175.89,24.59 178.49,27.19 178.49,31.19 185.69,38.39 185.69,55.19 220.4,89.9 ; 221.93,91.98 222.87,92.91 v1(222.87,93.14)
  Bottom w0.127: J3.12 229.21,97.21 229.21,95.5 229.17,95.46
  Bottom w0.28: 229.17,95.46 229.17,95.21 228.83,94.88 224.83,94.88 223.1,93.14 v1(222.87,93.14)
/Computer/USBP1.D-: length 105.4
  Top w0.127: D13.1 221.96,91.35 221.96,91.4 221.97,91.4 222.24,91.67
  Top w0.15: 220.7,89.6 220.74,89.64 220.74,90.13 D13.1
  Top w0.2: D13.1 D13.1
  Top w0.28: U1.67 171.06,24.12 171.1,24.16 176.06,24.16 178.91,27.01 178.91,31.01 186.12,38.21 186.12,55.01 220.7,89.6 ; v1(223.4,92.61) 223.17,92.61 222.24,91.67
  Bottom w0.127: 229.6,95.46 229.58,95.48 229.58,96.23 230.75,97.4 J3.11
  Bottom w0.28: 229.6,95.46 229.6,95.04 229.01,94.44 225.01,94.44 223.4,92.84 v1(223.4,92.61)
